# Altium PCB PCB2.PcbDoc (part 1 of 3) (continued)
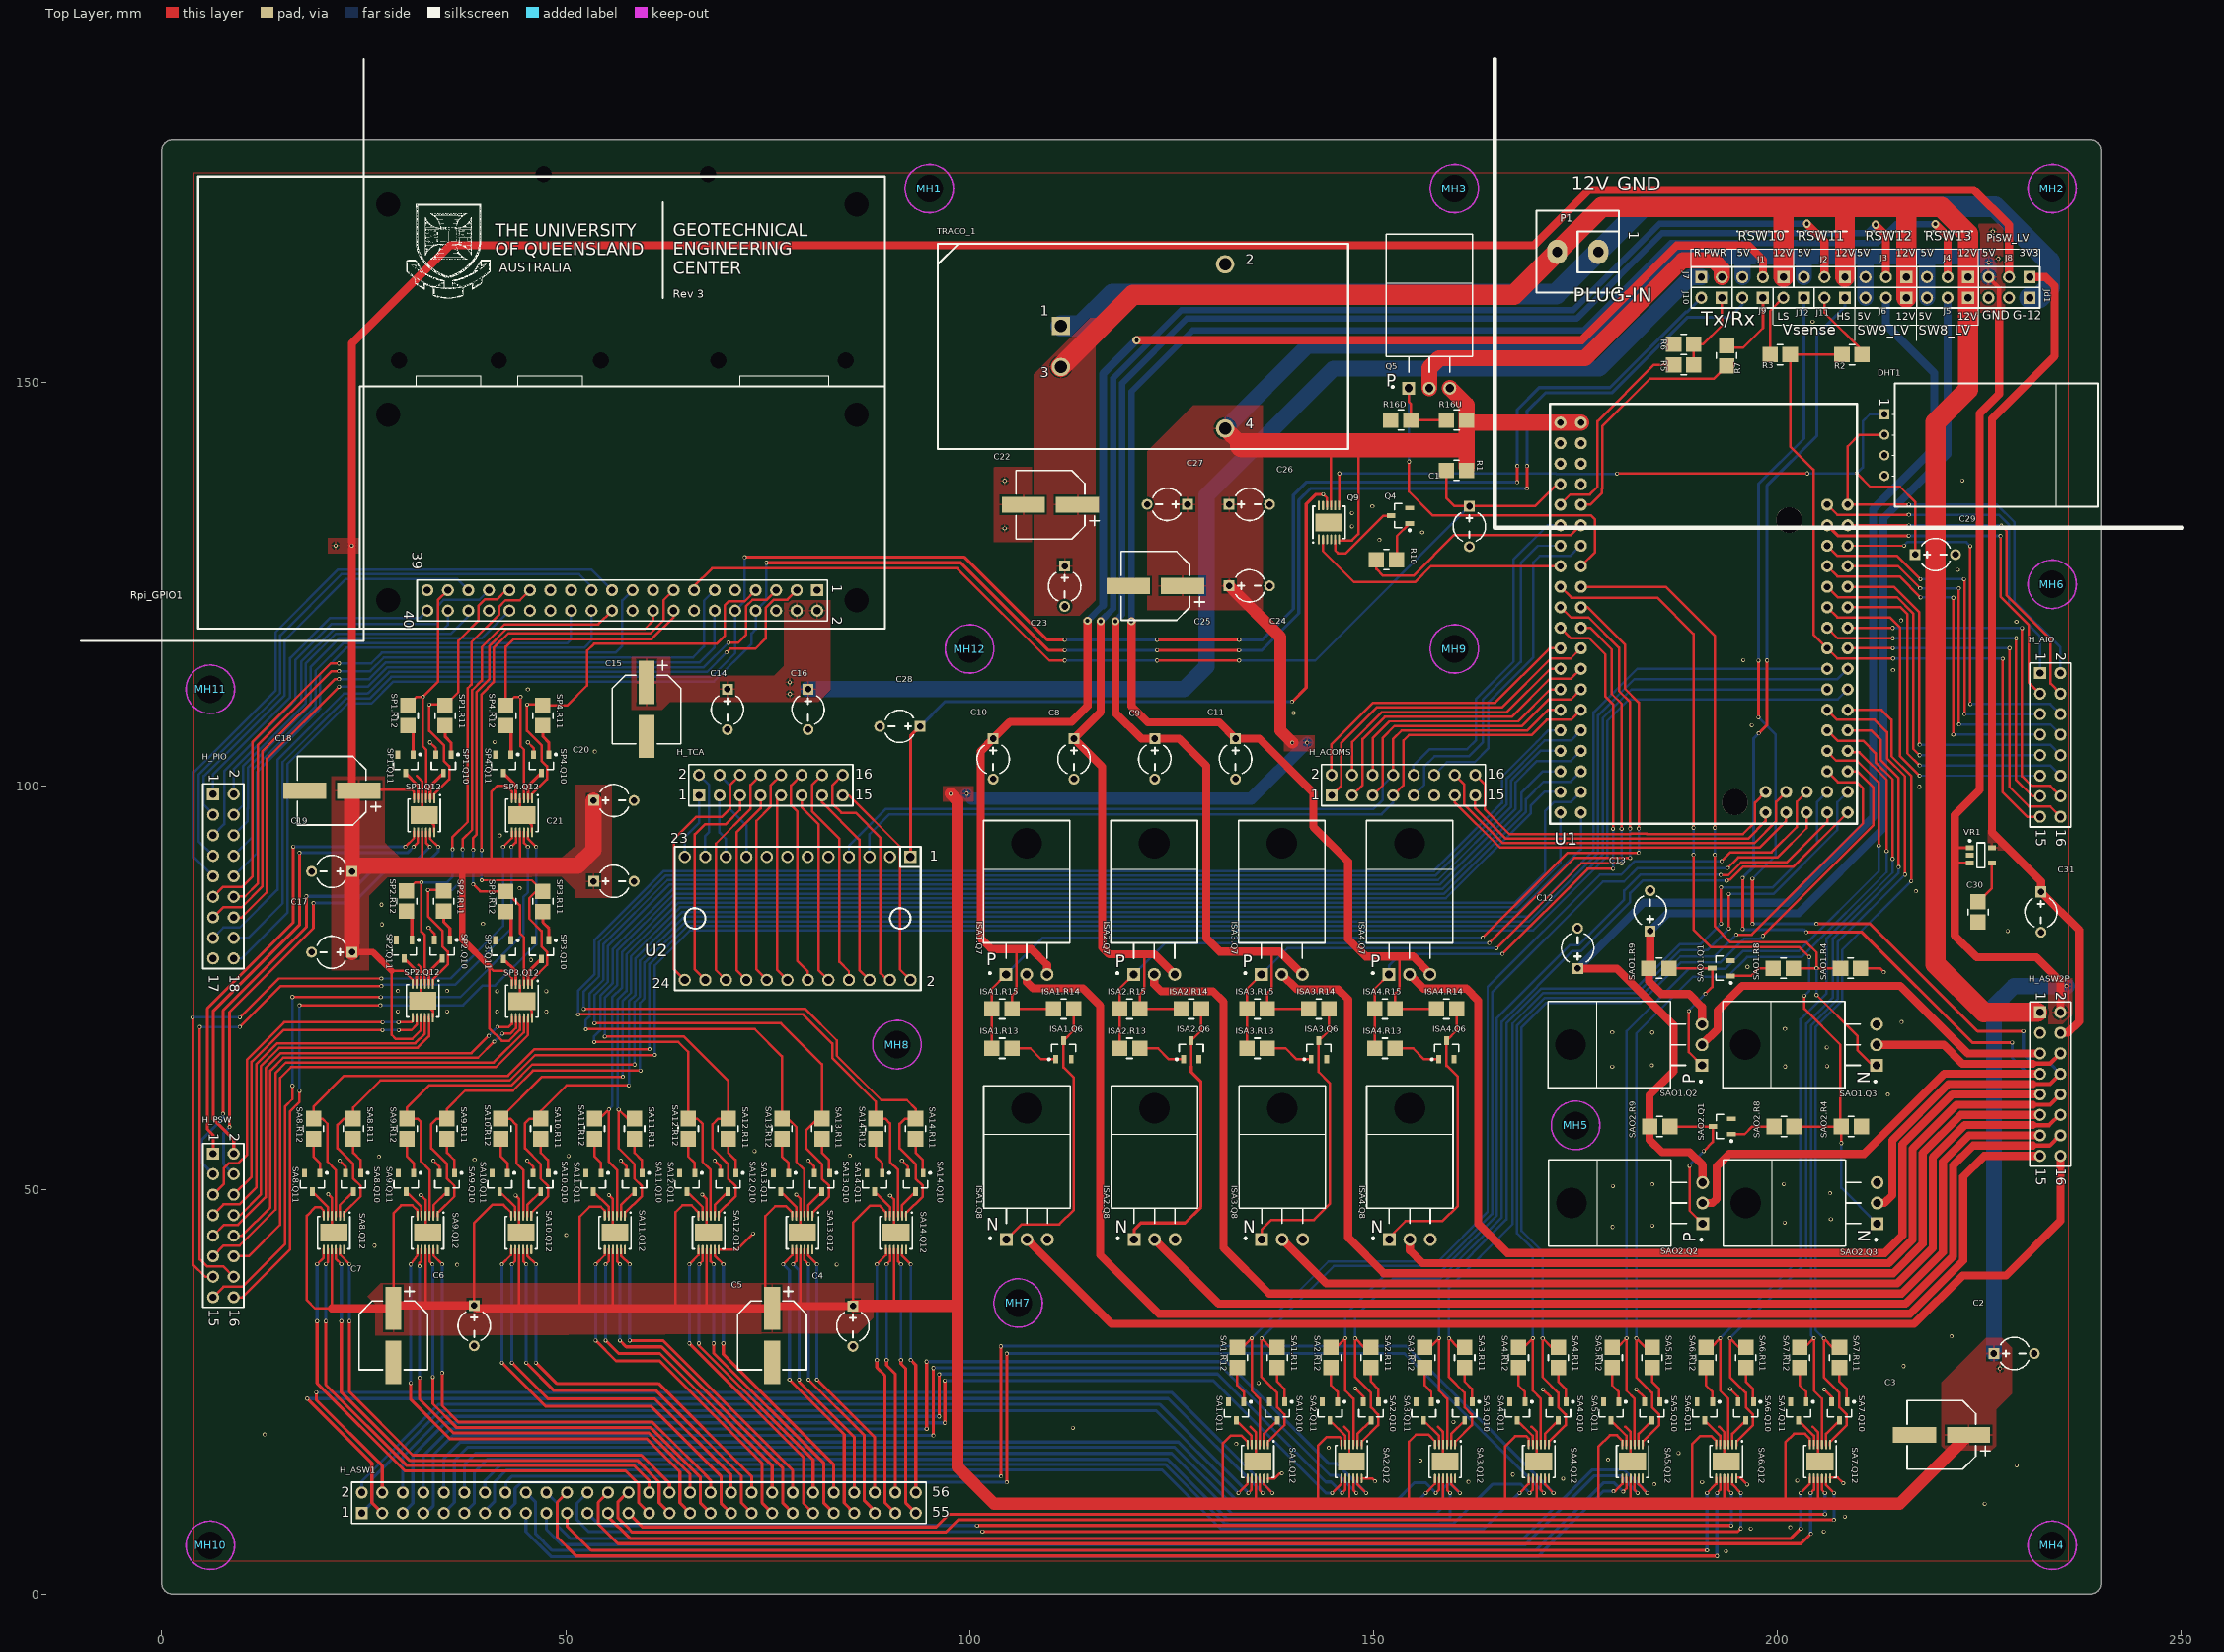
[diagram p0: Top Layer view]
## Components (designator, comment, footprint, x,y, rotation, side; value= is the part's Value field where it differs from the comment) (continued)
SA8.Q10 "BC848B" INF-SOT23_N 23.704,50.951 r270 top (schematic designator Q10)
SA8.Q11 "BC848B" INF-SOT23_N 18.632,50.951 r270 top (schematic designator Q11)
SA8.Q12 "TC8220" DFN-12 21.29,44.71 r270 top (schematic designator Q12)
SA8.R11 "330" RES-1206_M 23.704,57.587 r270 top (schematic designator R11)
SA8.R12 "330" RES-1206_M 18.769,57.587 r270 top (schematic designator R12)
SA9.Q10 "BC848B" INF-SOT23_N 35.304,50.951 r270 top (schematic designator Q10)
SA9.Q11 "BC848B" INF-SOT23_N 30.232,50.951 r270 top (schematic designator Q11)
SA9.Q12 "TC8220" DFN-12 32.89,44.71 r270 top (schematic designator Q12)
SA9.R11 "330" RES-1206_M 35.304,57.587 r270 top (schematic designator R11)
SA9.R12 "330" RES-1206_M 30.369,57.587 r270 top (schematic designator R12)
SA10.Q10 "BC848B" INF-SOT23_N 46.904,50.951 r270 top (schematic designator Q10)
SA10.Q11 "BC848B" INF-SOT23_N 41.832,50.951 r270 top (schematic designator Q11)
SA10.Q12 "TC8220" DFN-12 44.49,44.71 r270 top (schematic designator Q12)
SA10.R11 "330" RES-1206_M 46.904,57.587 r270 top (schematic designator R11)
SA10.R12 "330" RES-1206_M 41.969,57.587 r270 top (schematic designator R12)
SA11.Q10 "BC848B" INF-SOT23_N 58.504,50.951 r270 top (schematic designator Q10)
SA11.Q11 "BC848B" INF-SOT23_N 53.432,50.951 r270 top (schematic designator Q11)
SA11.Q12 "TC8220" DFN-12 56.09,44.71 r270 top (schematic designator Q12)
SA11.R11 "330" RES-1206_M 58.504,57.587 r270 top (schematic designator R11)
SA11.R12 "330" RES-1206_M 53.569,57.587 r270 top (schematic designator R12)
SA12.Q10 "BC848B" INF-SOT23_N 70.104,50.951 r270 top (schematic designator Q10)
SA12.Q11 "BC848B" INF-SOT23_N 65.032,50.951 r270 top (schematic designator Q11)
SA12.Q12 "TC8220" DFN-12 67.69,44.71 r270 top (schematic designator Q12)
SA12.R11 "330" RES-1206_M 70.104,57.587 r270 top (schematic designator R11)
SA12.R12 "330" RES-1206_M 65.169,57.587 r270 top (schematic designator R12)
SA13.Q10 "BC848B" INF-SOT23_N 81.704,50.951 r270 top (schematic designator Q10)
SA13.Q11 "BC848B" INF-SOT23_N 76.632,50.951 r270 top (schematic designator Q11)
SA13.Q12 "TC8220" DFN-12 79.29,44.71 r270 top (schematic designator Q12)
SA13.R11 "330" RES-1206_M 81.704,57.587 r270 top (schematic designator R11)
SA13.R12 "330" RES-1206_M 76.769,57.587 r270 top (schematic designator R12)
SA14.Q10 "BC848B" INF-SOT23_N 93.304,50.951 r270 top (schematic designator Q10)
SA14.Q11 "BC848B" INF-SOT23_N 88.232,50.951 r270 top (schematic designator Q11)
SA14.Q12 "TC8220" DFN-12 90.89,44.71 r270 top (schematic designator Q12)
SA14.R11 "330" RES-1206_M 93.304,57.587 r270 top (schematic designator R11)
SA14.R12 "330" RES-1206_M 88.369,57.587 r270 top (schematic designator R12)
SAO1.Q1 "BC848B" INF-SOT23_N 193.063,77.456 r180 top (schematic designator Q1)
SAO1.Q2 "D16N5" TO-220AB_TABDOWN_PMOS#1 190.648,67.98 r90 top (schematic designator Q2)
SAO1.Q3 "MOSFET-N" TO-220AB_TABDOWN_NMOS 212.25,67.98 r90 top (schematic designator Q3)
SAO1.R4 "10K" RES-1206_M 209.043,77.456 r180 top (schematic designator R4)
SAO1.R8 "330" RES-1206_M 200.723,77.456 r180 top (schematic designator R8)
SAO1.R9 "4K7" RES-1206_M 185.331,77.456 r180 top (schematic designator R9)
SAO2.Q1 "BC848B" INF-SOT23_N 193.14,57.86 r180 top (schematic designator Q1)
SAO2.Q2 "D16N5" TO-220AB_TABDOWN_PMOS#1 190.725,48.384 r90 top (schematic designator Q2)
SAO2.Q3 "MOSFET-N" TO-220AB_TABDOWN_NMOS 212.327,48.384 r90 top (schematic designator Q3)
SAO2.R4 "10K" RES-1206_M 209.12,57.86 r180 top (schematic designator R4)
SAO2.R8 "330" RES-1206_M 200.8,57.86 r180 top (schematic designator R8)
SAO2.R9 "4K7" RES-1206_M 185.409,57.86 r180 top (schematic designator R9)
SP1.Q10 "BC848B" INF-SOT23_N 34.868,102.766 r270 top (schematic designator Q10)
SP1.Q11 "BC848B" INF-SOT23_N 30.168,102.766 r270 top (schematic designator Q11)
SP1.Q12 "TC8220" DFN-12 32.468,96.386 r270 top (schematic designator Q12)
SP1.R11 "330" RES-1206_M 35.06,108.729 r270 top (schematic designator R11)
SP1.R12 "330" RES-1206_M 30.468,108.729 r270 top (schematic designator R12)
SP2.Q10 "BC848B" INF-SOT23_N 34.704,79.807 r270 top (schematic designator Q10)
SP2.Q11 "BC848B" INF-SOT23_N 30.004,79.807 r270 top (schematic designator Q11)
SP2.Q12 "TC8220" DFN-12 32.304,73.427 r270 top (schematic designator Q12)
SP2.R11 "330" RES-1206_M 34.896,85.77 r270 top (schematic designator R11)
SP2.R12 "330" RES-1206_M 30.304,85.77 r270 top (schematic designator R12)
SP3.Q10 "BC848B" INF-SOT23_N 46.978,79.767 r270 top (schematic designator Q10)
SP3.Q11 "BC848B" INF-SOT23_N 42.278,79.767 r270 top (schematic designator Q11)
SP3.Q12 "TC8220" DFN-12 44.578,73.387 r270 top (schematic designator Q12)
SP3.R11 "330" RES-1206_M 47.17,85.73 r270 top (schematic designator R11)
SP3.R12 "330" RES-1206_M 42.578,85.73 r270 top (schematic designator R12)
SP4.Q10 "BC848B" INF-SOT23_N 46.978,102.766 r270 top (schematic designator Q10)
SP4.Q11 "BC848B" INF-SOT23_N 42.278,102.766 r270 top (schematic designator Q11)
SP4.Q12 "TC8220" DFN-12 44.578,96.386 r270 top (schematic designator Q12)
SP4.R11 "330" RES-1206_M 47.17,108.729 r270 top (schematic designator R11)
SP4.R12 "330" RES-1206_M 42.578,108.729 r270 top (schematic designator R12)
TRACO_1 "TRACO_12vto5.1_151121" TRACO_12VTO5.1_151121 121.454,154.45 r0 top
U1 "MEGA2560-PRO-MINI" MEGA2560PRO-MINI 171.846,147.35 r270 top locked
U2 "TCA9548A_Breakout" TCA9548 78.704,83.63 r270 top
VR1 "TS5205CX533" SOT-25 225.17,91.44 r0 top

## Footprints (in the part's own frame and the unit in brackets; to place one, negate y for a bottom-side part, rotate by r counter-clockwise, add the part's x,y. Pads: shape width x height; smd on the part's side, far side on the other; paste and mask are expansions set on the pad)
CAPAE9083X80M [mm] "Aluminum Electrolytic Capacitor, Case 8x6.5mm, Body 8.30x8.30x8.00mm, IPC Low Density; Support 4x5.5mm,5x5.5mm, 6.3x5.5mm, 6.3x6.3mm, 6.3x8mm"
  rect 5.35x2 smd: 1(-3.35,0) 2(3.35,0)
  silkscreen extent -6.05,-4.25 4.25,4.25, body extent -4.5,-4.25 4.5,4.25, height 8
CAPR5-4X5 [mm] "Capacitor; 2 Leads"
  rect 1.35x1.35 hole 0.8: 1(-2.5,0)
  round 1.35 hole 0.8: 2(2.5,0)
  silkscreen extent -1.69,-2 1.82,2
DFN-12 [mm] "12-Lead DFN Plastic Package"
  rect 1.2x0.25 smd mask+0.08: 1(-2.1,1.25)
  oval 1.2x0.25 smd mask+0.08: 2(-2.1,0.75) 3(-2.1,0.25) 4(-2.1,-0.25) 5(-2.1,-0.75) 6(-2.1,-1.25) 7(2.1,-1.25) 8(2.1,-0.75) 9(2.1,-0.25) 10(2.1,0.25) 11(2.1,0.75) 12(2.1,1.25)
  rect 2.2x3.34 smd: 13(0,0)
  silkscreen extent -2.51,-2 2,2, body extent -2,-2 2,2, height 1
DHT22_HORIZONTAL [mil]
  rect 50x50 hole 30: 1(-150,0)
  round 50 hole 30: 2(-50,0) 3(50,0) 4(150,0)
  silkscreen extent -300,36 300,1038
HDR1X2 [mm] "Connector; Header; 2 Position"
  rect 1.5x1.5 hole 0.9: 1(0,0)
  round 1.5 hole 0.9: 2(2.54,0)
  silkscreen extent -1.27,-1.27 3.81,1.27
HDR1X3 [mm] "Connector; Header; 3 Position"
  rect 1.5x1.5 hole 0.9: 1(0,0)
  round 1.5 hole 0.9: 2(2.54,0) 3(5.08,0)
  silkscreen extent -1.27,-1.27 6.35,1.27
HDR2X8 [mm] "Connector; Header; 8x2 Position"
  rect 1.5x1.5 hole 0.9: 1(0,0)
  round 1.5 hole 0.9: 2(0,2.54) 3(2.54,0) 4(2.54,2.54) 5(5.08,0) 6(5.08,2.54) 7(7.62,0) 8(7.62,2.54) 9(10.16,0) 10(10.16,2.54) 11(12.7,0) 12(12.7,2.54) 13(15.24,0) 14(15.24,2.54) 15(17.78,0) 16(17.78,2.54)
  silkscreen extent -1.27,-1.27 19.05,3.81
HDR2X9 [mm] "Connector; Header; 9x2 Position"
  rect 1.5x1.5 hole 0.9: 1(0,0)
  round 1.5 hole 0.9: 2(0,2.54) 3(2.54,0) 4(2.54,2.54) 5(5.08,0) 6(5.08,2.54) 7(7.62,0) 8(7.62,2.54) 9(10.16,0) 10(10.16,2.54) 11(12.7,0) 12(12.7,2.54) 13(15.24,0) 14(15.24,2.54) 15(17.78,0) 16(17.78,2.54) 17(20.32,0) 18(20.32,2.54)
  silkscreen extent -1.27,-1.27 21.59,3.81
HDR2X28 [mm] "Connector; Header; 28x2 Position"
  rect 1.5x1.5 hole 0.9: 1(0,0)
  round 1.5 hole 0.9: 2(0,2.54) 3(2.54,0) 4(2.54,2.54) 5(5.08,0) 6(5.08,2.54) 7(7.62,0) 8(7.62,2.54) 9(10.16,0) 10(10.16,2.54) 11(12.7,0) 12(12.7,2.54) 13(15.24,0) 14(15.24,2.54) 15(17.78,0) 16(17.78,2.54) 17(20.32,0) 18(20.32,2.54) 19(22.86,0) 20(22.86,2.54) 21(25.4,0) 22(25.4,2.54) 23(27.94,0) 24(27.94,2.54) 25(30.48,0) 26(30.48,2.54) 27(33.02,0) 28(33.02,2.54) 29(35.56,0) 30(35.56,2.54) 31(38.1,0) 32(38.1,2.54) 33(40.64,0) 34(40.64,2.54) 35(43.18,0) 36(43.18,2.54) 37(45.72,0) 38(45.72,2.54) 39(48.26,0) 40(48.26,2.54) 41(50.8,0) 42(50.8,2.54) 43(53.34,0) 44(53.34,2.54) 45(55.88,0) 46(55.88,2.54) 47(58.42,0) 48(58.42,2.54) 49(60.96,0) 50(60.96,2.54) 51(63.5,0) 52(63.5,2.54) 53(66.04,0) 54(66.04,2.54) 55(68.58,0) 56(68.58,2.54)
  silkscreen extent -1.27,-1.27 69.85,3.81
INF-SOT23_N [mm] "SOT23, 3-Leads, Body 2.9x1.3 mm, Pitch 0.95 mm, IPC Medium Density"
  rect 1.05x0.6 smd: 1(-1.15,0.95) 2(-1.15,-0.95) 3(1.15,0)
  silkscreen extent -1.27,-1.5 0.7,1.92, body extent -0.7,-1.5 0.7,1.5, height 1.1
M3 [mm] "M3 Screw Mounting Hole, 6mm Head Diameter Clearance"
  round 0 hole 3.4 unplated: 0(0,0)
  Keep-Out Layer circle w0.2: c0,0 r3
MEGA2560PRO-MINI [mm]
  round 3.2 hole 3.2 unplated: 0(14.405,29.601) 0(49.33,22.87)
  round 0 all layers, no hole: 5V@3(50.6,19.06) GND@3(50.6,13.98) GND@4(2.34,25.918) MISO(48.06,19.06) MOSI(50.6,16.52) RESET(48.06,13.98) RST@2(2.34,15.758) RX@2(2.34,20.838) SCK(48.06,16.52) TX@2(2.34,18.298) VCC@3(2.34,23.378)
  round 1.5 / inner round 1.524 / far side round 1.676 hole 0.8: A0(12.5,36.84) A1(12.5,34.3) A2(15.04,36.84) A3(15.04,34.3) A4(17.58,36.84) A5(17.58,34.3) A6(20.12,36.84) A7(20.12,34.3) A8(22.66,36.84) A9(22.66,34.3) A10(25.2,36.84) A11(25.2,34.3) A12(27.74,36.84) A13(27.74,34.3) A14(30.28,36.84) A15(30.28,34.3) AREF(9.96,3.82) D2(15.04,3.82) D3(15.04,1.28) D4(17.58,3.82) D5(17.58,1.28) D6(20.12,3.82) D7(20.12,1.28) D8(22.66,3.82) D9(22.66,1.28) D10(25.2,3.82) D11(25.2,1.28) D12(27.74,3.82) D13(27.74,1.28) D14(30.28,3.82) D15(30.28,1.28) D16(32.82,3.82) D17(32.82,1.28) D18(35.36,3.82) D19(35.36,1.28) D20(37.9,3.82) D21(37.9,1.28) D22(40.44,3.82) D23(40.44,1.28) D24(42.98,3.82) D25(42.98,1.28) D26(45.52,3.82) D27(45.52,1.28) D28(48.06,3.82) D29(48.06,1.28) D30(50.6,3.82) D31(50.6,1.28) D32(32.82,36.84) D33(32.82,34.3) D34(35.36,36.84) D35(35.36,34.3) D36(37.9,36.84) D37(37.9,34.3) D38(40.44,36.84) D39(40.44,34.3) D40(42.98,36.84) D41(42.98,34.3) D42(45.52,36.84) D43(45.52,34.3) D44(48.06,36.84) D45(48.06,34.3) D46(50.6,36.84) D47(50.6,34.3) D48(50.6,31.76) D49(48.06,31.76) D50(50.6,29.22) D51(48.06,29.22) D52(50.6,26.68) D53(48.06,26.68) GND@1(4.88,1.28) GND@2(4.88,3.82) RST@1(9.96,1.28) RX@1(12.5,3.82) TX@1(12.5,1.28) VCC@1(7.42,1.28) VCC@2(7.42,3.82) VIN@1(2.34,1.28) VIN@2(2.34,3.82)
  silkscreen extent 0,0 52,38
PHOENIX_2PIN [mm]
  oval 3x2.5 hole 1.27: 1(0,2.54) 2(0,-2.54)
  silkscreen extent -5.08,-5.08 5.08,5.08
RES-1206_M [mm] "Chip Resistor, 2-Leads, Body 3.2x1.6mm, IPC Low Density, 0805 Compliant"
  rect 1.9x1.9 smd: 1(-1.25,0) 2(1.25,0)
  silkscreen extent -0.35,-1.25 0.35,1.25, body extent -1.65,-0.87 1.65,0.87, height 0.65
RPI_Z_GPIO_HDR2X20 [mm] "Connector; Header; 20x2 Position"
  round 1.524 hole 3 unplated: 0(-47.73,-53.13) 0(-47.73,4.87) 0(-21.73,4.87) 0(-21.73,-53.13) 0(1.27,-53.13) 0(1.27,4.87)
  rect 1.5x1.5 hole 0.9: 1(0,0)
  round 1.5 hole 0.9: 2(2.54,0) 3(0,-2.54) 4(2.54,-2.54) 5(0,-5.08) 6(2.54,-5.08) 7(0,-7.62) 8(2.54,-7.62) 9(0,-10.16) 10(2.54,-10.16) 11(0,-12.7) 12(2.54,-12.7) 13(0,-15.24) 14(2.54,-15.24) 15(0,-17.78) 16(2.54,-17.78) 17(0,-20.32) 18(2.54,-20.32) 19(0,-22.86) 20(2.54,-22.86) 21(0,-25.4) 22(2.54,-25.4) 23(0,-27.94) 24(2.54,-27.94) 25(0,-30.48) 26(2.54,-30.48) 27(0,-33.02) 28(2.54,-33.02) 29(0,-35.56) 30(2.54,-35.56) 31(0,-38.1) 32(2.54,-38.1) 33(0,-40.64) 34(2.54,-40.64) 35(0,-43.18) 36(2.54,-43.18) 37(0,-45.72) 38(2.54,-45.72) 39(0,-48.26) 40(2.54,-48.26)
  silkscreen extent -51.23,-76.63 4.77,8.37, body extent -26.52,-56.63 4.71,8.37, height 13.35
SOT-25 [mm] "SOT25, 5-Leads, Body 2.90x2.70mm, Pitch 0.95mm, IPC Medium Density"
  rect 0.95x0.6 smd: 1(-1.375,0.95) 2(-1.375,0) 3(-1.375,-0.95) 4(1.375,-0.95) 5(1.375,0.95)
  silkscreen extent -1.5,-1.55 0.5,1.92, body extent -1.5,-1.55 1.5,1.55, height 1.25
TCA9548 [mil]
  rect 60x60 hole 40: 1(-300,550)
  round 60 hole 40: 2(300,550) 3(-300,450) 4(300,450) 5(-300,350) 6(300,350) 7(-300,250) 8(300,250) 9(-300,150) 10(300,150) 11(-300,50) 12(300,50) 13(-300,-50) 14(300,-50) 15(-300,-150) 16(300,-150) 17(-300,-250) 18(300,-250) 19(-300,-350) 20(300,-350) 21(-300,-450) 22(300,-450) 23(-300,-550) 24(300,-550)
  silkscreen extent -350,-600 350,600
TO-220AB_TABDOWN_NMOS [mm] "TO, Thru-Hole, Horizontal, Heatsink Mounted; 3 In-Line Leads; Pitch 2.54 mm"
  round 0 hole 3.8 unplated: 0(0,16.25)
  rect 1.6x1.6 hole 1: 1(-2.54,0)
  round 1.6 hole 1: 2(0,0) 3(2.54,0)
  silkscreen extent -5.35,0.03 5.35,19.05, body extent -5.4,3.83 5.4,19.04, height 4.65
TO-220AB_TABDOWN_PMOS#1 [mm] "TO, Thru-Hole, Horizontal, Heatsink Mounted; 3 In-Line Leads; Pitch 2.54 mm"
  round 0 hole 3.8 unplated: 0(0,16.25)
  rect 1.6x1.6 hole 1: 1(-2.54,0)
  round 1.6 hole 1: 2(0,0) 3(2.54,0)
  silkscreen extent -5.35,0.03 5.35,19.05, body extent -5.4,3.83 5.4,19.04, height 4.65
TO-220AB_TABDOWN_PMOS#2 [mm] "TO, Thru-Hole, Horizontal, Heatsink Mounted; 3 In-Line Leads; Pitch 2.54 mm"
  round 0 on Top Overlay: 0(0,16.25)
  rect 1.6x1.6 hole 1: 1(-2.54,0)
  round 1.6 hole 1: 2(0,0) 3(2.54,0)
  silkscreen extent -5.35,0.03 5.35,19.05, body extent -5.4,3.83 5.4,19.04, height 4.65
TRACO_12VTO5.1_151121 [mil]
  rect 90x90 hole 60: 1(-400,100)
  round 90 hole 60: 2(400,400) 3(-400,-100) 4(400,-400)
  silkscreen extent -1000,-500 1000,500, body extent -1000,-500 1000,500, height 402

## Part data
C1 C2 C3 C4 C5 C6 C7 C8 C9 C10 C11 C12 C13 C14 C15 C16 C17 C18 C19 C20 C21 C22 C23 C24 C25 C26 C27 C28 C29 C30 C31: library part Cap2, "Capacitor", PackageDescription="Capacitor; 2 Leads", PackageReference=CAPR5-4X5, Published=23-Sep-2002, Publisher="Altium Limited"
  C1 C2 C5 C6 C15 C17 C22 C24: Link=https://au.rs-online.com/web/p/ceramic-multilayer-capacitors/6995137/
  C3 C4 C7 C18 C20 C23 C28 C29: Link=https://au.rs-online.com/web/p/aluminium-capacitors/1918277/
  C8 C9 C10 C11 C12 C13 C14 C19 C21 C25 C26 C27 C30 C31: Link=https://au.rs-online.com/web/p/aluminium-capacitors/2244325/
H_ACOMS H_AIO H_ASW2P H_PSW H_TCA: "Header, 8-Pin, Dual row", LatestRevisionDate=17-Jul-2002, LatestRevisionNote="Re-released for DXP Platform.", Publisher="Altium Limited", System=Connector
H_ASW1: "Header, 28-Pin, Dual row", LatestRevisionDate=17-Jul-2002, LatestRevisionNote="Re-released for DXP Platform.", Publisher="Altium Limited", System=Connector
H_PIO: "Header, 9-Pin, Dual row", LatestRevisionDate=17-Jul-2002, LatestRevisionNote="Re-released for DXP Platform.", Publisher="Altium Limited", System=Connector
ISA1.Q6 ISA2.Q6 ISA3.Q6 ISA4.Q6 Q4 SA1.Q10 SA1.Q11 SA2.Q10 SA2.Q11 SA3.Q10 SA3.Q11 SA4.Q10 SA4.Q11 SA5.Q10 SA5.Q11 SA6.Q10 SA6.Q11 SA7.Q10 SA7.Q11 SA8.Q10 SA8.Q11 SA9.Q10 SA9.Q11 SA10.Q10 SA10.Q11 SA11.Q10 SA11.Q11 SA12.Q10 SA12.Q11 SA13.Q10 SA13.Q11 SA14.Q10 SA14.Q11 SAO1.Q1 SAO2.Q1 SP1.Q10 SP1.Q11 SP2.Q10 SP2.Q11 SP3.Q10 SP3.Q11 SP4.Q10 SP4.Q11: "NPN Silicon AF Transistor, 30 V VCEO, 100 mA IC, SOT23, Reel, Green", Manufacturer=Infineon, ComponentLink1Description="Manufacturer URL", ComponentLink1URL=http://www.infineon.com/, ComponentLink2Description=Datasheet, ComponentLink2URL=http://www.infineon.com/dgdl/bc847series_bc848series_bc849series_bc850series.pdf?folderId=db3a304314dca389011541d30fa21656&fileId=db3a304314dca389011541d4630a1657, ComponentLink3Description="Package Specification", ComponentLink3URL=http://www.infineon.com/dgdl/SOT23-Package_Overview.pdf?folderId=db3a30431936bc4b0119532290053c66&fileId=db3a30431936bc4b0119533468123c85, fT (typ)="250 MHz", Green=TRUE, IBM (max)="200 mA", IC (max)="100 mA", ICBO (max)="15 nA", ICM (max)="200 mA", Mounting Technology="Surface Mount", PackageDescription="3-Pin Small Outline Transistor Package, 1.3 x 2.9 mm Body, 0.95 mm Pitch", PackageReference=SOT23, PackageVersion=Apr-08, Packing=Reel, PartNumber=BC848B, Polarity=NPN, Ptot (max)="330 mW", VCBO (max)="30 V", VCEO (max)="30 V", VEBO (max)="6 V"
ISA1.Q7 ISA2.Q7 ISA3.Q7 ISA4.Q7 Q5 SAO1.Q2 SAO2.Q2: library part MOSFET-P, "P-Channel MOSFET", LatestRevisionDate=17-Jul-2002, LatestRevisionNote="Re-released for DXP Platform.", PackageDescription="TO, Flat Index; 3 In-Line, Axial Leads; Body Dia. 4.6mm; Lead Dia. 0.5 mm (max)", PackageReference=E3, PackageVersion=1995/1996, Published=8-Jun-2000, Publisher="Altium Limited"
  ISA1.Q7 ISA2.Q7 ISA3.Q7 ISA4.Q7 SAO1.Q2 SAO2.Q2: Link=https://au.rs-online.com/web/p/mosfets/9194867/
  Q5: Link=https://au.rs-online.com/web/p/mosfets/1655218/
ISA1.Q8 ISA2.Q8 ISA3.Q8 ISA4.Q8 SAO1.Q3 SAO2.Q3: "N-Channel MOSFET", LatestRevisionDate=17-Jul-2002, LatestRevisionNote="Re-released for DXP Platform.", Link=https://au.rs-online.com/web/p/mosfets/1241400/, PackageDescription="TO, Flat Index; 3 In-Line, Axial Leads; Body Dia. 4.6mm; Lead Dia. 0.5 mm (max)", PackageReference=E3, PackageVersion=1995/1996, Published=8-Jun-2000, Publisher="Altium Limited"
ISA1.R13 ISA1.R14 ISA1.R15 ISA2.R13 ISA2.R14 ISA2.R15 ISA3.R13 ISA3.R14 ISA3.R15 ISA4.R13 ISA4.R14 ISA4.R15 R1 R2 R3 R5 R6 R7 R10 R16D R16U SA1.R11 SA1.R12 SA2.R11 SA2.R12 SA3.R11 SA3.R12 SA4.R11 SA4.R12 SA5.R11 SA5.R12 SA6.R11 SA6.R12 SA7.R11 SA7.R12 SA8.R11 SA8.R12 SA9.R11 SA9.R12 SA10.R11 SA10.R12 SA11.R11 SA11.R12 SA12.R11 SA12.R12 SA13.R11 SA13.R12 SA14.R11 SA14.R12 SAO1.R4 SAO1.R8 SAO1.R9 SAO2.R4 SAO2.R8 SAO2.R9 SP1.R11 SP1.R12 SP2.R11 SP2.R12 SP3.R11 SP3.R12 SP4.R11 SP4.R12: library part Res2, "Resistor", LatestRevisionDate=17-Jul-2002, LatestRevisionNote="Re-released for DXP Platform.", PackageDescription="Axial Device, Thru-Hole; 2 Leads; 0.4 in Pin Spacing", PackageReference=AXIAL-0.4, Published=8-Jun-2000, Publisher="Altium Limited"
  ISA1.R13 ISA2.R13 ISA3.R13 ISA4.R13 R7 R10 SAO1.R8 SAO2.R8: Link=https://au.rs-online.com/web/p/through-hole-fixed-resistors/7398714/
  ISA1.R14 ISA1.R15 ISA2.R14 ISA2.R15 ISA3.R14 ISA3.R15 ISA4.R14 ISA4.R15 R1 R16D R16U SAO1.R9 SAO2.R9: Link=https://au.rs-online.com/web/p/through-hole-fixed-resistors/6833799/
  R2: Link=https://au.rs-online.com/web/p/through-hole-fixed-resistors/1660234/
  R3: Link=https://au.rs-online.com/web/p/through-hole-fixed-resistors/0148461/
  R5: Link=https://au.rs-online.com/web/p/through-hole-fixed-resistors/1251142/
  R6: Link=https://au.rs-online.com/web/p/through-hole-fixed-resistors/0132551/
  SAO1.R4 SAO2.R4: Link=https://au.rs-online.com/web/p/through-hole-fixed-resistors/1251148/
J1: library part "Header 3", "Header, 3-Pin / ISA1 (D10), Inverted Switch 12V-5V Select", LatestRevisionDate=17-Jul-2002, LatestRevisionNote="Re-released for DXP Platform.", Publisher="Altium Limited"
J2: library part "Header 3", "Header, 3-Pin / ISA2 (D11), Inverted Switch 12V-5V Select", LatestRevisionDate=17-Jul-2002, LatestRevisionNote="Re-released for DXP Platform.", Publisher="Altium Limited"
J3: library part "Header 3", "Header, 3-Pin / ISA3 (D12), Inverted Switch 12V-5V Select", LatestRevisionDate=17-Jul-2002, LatestRevisionNote="Re-released for DXP Platform.", Publisher="Altium Limited"
J4: library part "Header 3", "Header, 3-Pin / ISA4 (D13), Inverted Switch 12V-5V Select", LatestRevisionDate=17-Jul-2002, LatestRevisionNote="Re-released for DXP Platform.", Publisher="Altium Limited"
J5: "Header, 3-Pin / SAO1 (D8), 12V 5V Select", LatestRevisionDate=17-Jul-2002, LatestRevisionNote="Re-released for DXP Platform.", Publisher="Altium Limited"
J6: "Header, 3-Pin / SAO2 (D9), 12V 5V Select", LatestRevisionDate=17-Jul-2002, LatestRevisionNote="Re-released for DXP Platform.", Publisher="Altium Limited"
J7: "Header, 2-Pin / Arduino->RPI Power", LatestRevisionDate=17-Jul-2002, LatestRevisionNote="Re-released for DXP Platform.", Publisher="Altium Limited"
J8: "Header, 3-Pin / RPI, 5V or 3V Power", LatestRevisionDate=17-Jul-2002, LatestRevisionNote="Re-released for DXP Platform.", Publisher="Altium Limited"
J9: "Header, 2-Pin / A-RX <> P-TX", LatestRevisionDate=17-Jul-2002, LatestRevisionNote="Re-released for DXP Platform.", Publisher="Altium Limited"
J10: "Header, 2-Pin / A-TX <> P-RX", LatestRevisionDate=17-Jul-2002, LatestRevisionNote="Re-released for DXP Platform.", Publisher="Altium Limited"
J11: "Header, 2-Pin / VSense, HS", LatestRevisionDate=17-Jul-2002, LatestRevisionNote="Re-released for DXP Platform.", Publisher="Altium Limited"
J12: "Header, 2-Pin / VSense, LS", LatestRevisionDate=17-Jul-2002, LatestRevisionNote="Re-released for DXP Platform.", Publisher="Altium Limited"
Jd1: library part "Header 3", "12V and 5v Tie in Ground", LatestRevisionDate=17-Jul-2002, LatestRevisionNote="Re-released for DXP Platform.", Publisher="Altium Limited"
P1: library part Phoenix_2pin, "Plug IN"
Q9 SA1.Q12 SA2.Q12 SA3.Q12 SA4.Q12 SA5.Q12 SA6.Q12 SA7.Q12 SA8.Q12 SA9.Q12 SA10.Q12 SA11.Q12 SA12.Q12 SA13.Q12 SA14.Q12 SP1.Q12 SP2.Q12 SP3.Q12 SP4.Q12: "Two pair, N- & P-Channel Enhancement MOSFET"
Rpi_GPIO1: library part Rpi_GPIO_1, "Header, 20-Pin, Dual row", LatestRevisionDate=17-Jul-2002, LatestRevisionNote="Re-released for DXP Platform.", Publisher="Altium Limited"
U1: "RoboDyn Mega2560 Pro Mini, Either 5V or 3.3V incorporated regulator", ComponentLink1Description=Robodyn, ComponentLink1URL=https://robotdyn.com/mega-2560-pro-mini-atmega2560-16au.html
U2: "Adafruit TCA9548A 1-to-8 I2C Multiplexer Breakout"
VR1: library part TS5205, "150mA Low Noise LDO Voltage Regulator with Enable Function"
TRACO_1: Link=https://au.rs-online.com/web/p/isolated-dc-dc-converters/1665605/

## Free pads (board coordinates)
  round 0 hole 2 unplated: 0(29.354,152.71) 0(41.704,152.7) 0(47.274,175.79) 0(54.354,152.7) 0(67.594,175.79) 0(68.894,152.7) 0(84.664,152.7)

## Via types
v1: diameter 0.5, hole 0.3, Top Layer to Bottom Layer, 422 vias
v2: diameter 1, hole 0.5, Top Layer to Bottom Layer, 8 vias

## Nets (pads, with @x,y where several pads share a name; then routed paths per layer and width w, separated by ;. In a path a pad name is that pad's centre, name@x,y a point inside that pad or via, vN(x,y) a via of type N, cw(c..) or ccw(c..) an arc to the next point about the centre after c; other vN are vias at no path point)
3.3V: C31.1 H_ASW2P.4 J8.1 VR1.5 | length 105.2
  Top Layer w1: J8.1@231.203,163.03 233.21,163.03 234.3,161.94 234.3,153.25 226.545,145.495 226.545,94.275 232.62,88.2 C31.1@232.62,86.91 237.34,82.19 237.34,70.88 235.92,69.46 H_ASW2P.4@235.04,69.46
5V: C2.1 C3.1 C4.1 C5.1 C6.1 C7.1 C24.1 C25.1 C26.1 C27.1 H_ASW2P.2 J1.3 J2.3 J3.3 J4.3 J5.3 J6.3 J8.3 Q5.3 Q9.6 Q9.9 R1.2 R16U.2 SA1.Q12.6 SA1.Q12.9 SA2.Q12.6 SA2.Q12.9 SA3.Q12.6 SA3.Q12.9 SA4.Q12.6 SA4.Q12.9 SA5.Q12.6 SA5.Q12.9 SA6.Q12.6 SA6.Q12.9 SA7.Q12.6 SA7.Q12.9 SA8.Q12.6 SA8.Q12.9 SA9.Q12.6 SA9.Q12.9 SA10.Q12.6 SA10.Q12.9 SA11.Q12.6 SA11.Q12.9 SA12.Q12.6 SA12.Q12.9 SA13.Q12.6 SA13.Q12.9 SA14.Q12.6 SA14.Q12.9 TRACO_1.4 U1.VIN@1 U1.VIN@2 VR1.1 VR1.3 | length 988.9
  Top Layer w0.305: SA8.Q12.6@20.04,46.71 20.04,46.925 20.04,47.44 19.6,47.88 19.02,47.88 17.95,46.81 17.95,36.37 18.97,35.35 21.02,35.35 21.04,35.37 21.04,42.495 SA8.Q12.9@21.04,42.71 ; C7.1@29.023,35.704 C7.1@28.669,35.35 28.669,47.129 29.63,48.09 31.02,48.09 31.64,47.47 31.64,46.925 SA9.Q12.6@31.64,46.71 ; SA9.Q12.9@32.64,42.71 32.64,42.495 32.64,35.724 32.66,35.704 ; C6.1@39.023,35.35 C6.1@38.669,35.704 38.669,45.929 40.9,48.16 42.31,48.16 43.24,47.23 43.24,46.925 SA10.Q12.6@43.24,46.71 ; 44.17,35.35 44.24,35.42 44.24,42.495 SA10.Q12.9@44.24,42.71 ; 51.73,35.35 51.73,46.69 52.97,47.93 54.34,47.93 54.84,47.43 54.84,46.925 SA11.Q12.6@54.84,46.71 ; 55.84,35.35 55.84,42.495 SA11.Q12.9@55.84,42.71 ; 63.59,35.35 63.59,47.26 64.43,48.1 65.59,48.1 66.44,47.25 66.44,46.925 SA12.Q12.6@66.44,46.71 ; SA12.Q12.9@67.44,42.71 67.44,42.495 67.44,35.41 67.5,35.35 ; C5.1@75.838,35.64 C5.1@75.548,35.35 74.7,36.198 74.7,46.746 75.924,47.97 77.28,47.97 78.04,47.21 78.04,46.925 SA13.Q12.6@78.04,46.71 ; 78.97,35.64 79.04,35.71 79.04,42.495 SA13.Q12.9@79.04,42.71 ; C4.1@85.548,35.64 85.548,45.958 87.66,48.07 88.82,48.07 89.64,47.25 89.64,46.925 SA14.Q12.6@89.64,46.71 ; SA14.Q12.9@90.64,42.71 90.64,42.495 90.64,35.65 90.65,35.64 ; 130.67,11.161 131.36,11.851 131.36,18.65 132.28,19.57 133.68,19.57 134.404,18.846 134.404,18.598 SA1.Q12.6@134.404,18.383 ; 135.2,11.161 135.404,11.365 135.404,14.168 SA1.Q12.9@135.404,14.383 ; 138.45,106.88 138.45,107.21 ; 142.64,11.161 143.1,11.621 143.1,18.31 144.2,19.41 145.77,19.41 146.004,19.176 146.004,18.598 SA2.Q12.6@146.004,18.383 ; 144.684,142.19 144.734,142.14 144.734,134.865 Q9.9@144.734,134.65 ; Q9.6@145.793,130.435 147.333,130.435 148.114,131.216 148.114,140.93 146.854,142.19 ; 146.78,11.161 147.004,11.385 147.004,14.168 SA2.Q12.9@147.004,14.383 ; 154.56,11.161 154.37,11.351 154.37,18.83 155.22,19.68 156.82,19.68 157.604,18.896 157.604,18.598 SA3.Q12.6@157.604,18.383 ; 158.31,11.161 158.604,11.455 158.604,14.168 SA3.Q12.9@158.604,14.383 ; 166.21,11.161 166.29,11.241 166.29,18.27 167.52,19.5 168.92,19.5 169.204,19.216 169.204,18.598 SA4.Q12.6@169.204,18.383 ; SA4.Q12.9@170.204,14.383 170.204,14.168 170.204,11.177 170.22,11.161 ; 177.66,11.161 177.82,11.321 177.82,18.2 179.25,19.63 180.13,19.63 180.804,18.956 180.804,18.533 SA5.Q12.6@180.804,18.383 ; 181.67,11.161 181.804,11.295 181.804,14.233 SA5.Q12.9@181.804,14.383 ; 189.31,11.161 189.45,11.301 189.45,18.56 190.44,19.55 191.81,19.55 192.404,18.956 192.404,18.533 SA6.Q12.6@192.404,18.383 ; 193.33,11.161 193.404,11.235 193.404,14.233 SA6.Q12.9@193.404,14.383 ; 200.66,11.161 200.96,11.461 200.96,18.737 202.03,19.807 203.4,19.807 204.004,19.203 204.004,18.533 SA7.Q12.6@204.004,18.383 ; SA7.Q12.9@205.004,14.383 205.004,14.233 205.004,11.177 205.02,11.161 ; 221.7,92.39 221.93,92.39 ; 221.74,90.49 221.93,90.49 VR1.3@223.795,90.49 ; 221.93,91.06 222.12,90.87
  Top Layer w0.381: 221.93,92.39 VR1.1@223.795,92.39
  Top Layer w0.5: J8.3@226.123,163.03 227.43,161.723 227.43,158.83
  Top Layer w1: 21.02,35.35 C7.1@28.669,35.35 ; C7.1@29.023,35.704 32.66,35.704 C6.1@38.669,35.704 ; C6.1@39.023,35.35 44.17,35.35 51.73,35.35 55.84,35.35 63.59,35.35 67.5,35.35 C5.1@75.548,35.35 ; C5.1@75.838,35.64 78.97,35.64 C4.1@85.548,35.64 ; 227.43,158.83 227.43,148.55 225.03,146.15 225.03,99.53 221.93,96.43 221.93,92.39 221.93,91.06 221.93,90.49 221.93,81.53 224.65,78.81 232.03,78.81 235.034,75.806 H_ASW2P.2@235.034,72
  Top Layer w1.5: C4.1@85.548,35.64 90.65,35.64 98.5,35.64 ; v1(97.64,99.06) 98.5,98.2 98.5,39.276 98.5,35.64 ; C24.1@132.124,124.798 138.45,118.472 138.45,107.21 ; 138.45,106.88 v1(139.94,105.39) ; C3.1@223.64,19.68 215.121,11.161 205.02,11.161 200.66,11.161 193.33,11.161 189.31,11.161 181.67,11.161 177.66,11.161 170.22,11.161 166.21,11.161 158.31,11.161 154.56,11.161 146.78,11.161 142.64,11.161 135.2,11.161 130.67,11.161 103.029,11.161 98.5,15.69 98.5,35.64
  Top Layer w2: TRACO_1.4@131.614,144.29 133.714,142.19 ; Q5.3@159.434,149.28 161.524,147.19 R16U.2@161.524,145.34 R16U.2@161.524,145.01 ; R1.2@161.524,139.48 161.524,142.19 ; 161.524,142.6 R16U.2@161.524,145.01 ; 175.666,145.01 R16U.2@161.524,145.01
  Top Layer w3: 133.714,142.19 144.684,142.19 146.854,142.19 153.55,142.19 153.554,142.194 155.214,142.194 ; 155.218,142.19 155.214,142.194 ; 160.76,142.194 155.214,142.194
  Bottom Layer w1.5: v1(99.634,99.07) 100.234,98.47 134.85,98.47 v1(141.77,105.39)
  Bottom Layer w2: TRACO_1.4@131.614,144.29 141.854,154.53 176.83,154.53 187.893,165.593 195.78,165.593 ; J1.3@195.643,163.02 195.643,165.456 195.78,165.593 ; J2.3@203.263,163.03 203.263,165.55 203.22,165.593 ; J6.3@210.883,160.48 J3.3@210.883,163.03 210.883,165.557 210.92,165.593 ; J5.3@218.503,160.48 J4.3@218.503,163.03 218.503,165.586 218.51,165.593 ; J8.3@226.123,163.03 226.123,164.517 225.047,165.593 218.51,165.593 ; C2.1@226.79,29.76 226.79,72.78 229.26,75.25 v1(235.79,75.25) ; 195.78,165.593 203.22,165.593 ; 203.22,165.593 210.92,165.593 ; 210.92,165.593 218.51,165.593
  other v1: 227.53,27.903 226.14,164.85 227.33,165.32 226.64,168.67
5V12V_HS_1: H_ASW2P.5 SAO1.Q2.2 | length 49.7
  Top Layer w1: SAO1.Q2.2@190.648,67.98 192.562,69.895 192.562,72.212 195.62,75.27 215.2,75.27 223.571,66.899 H_ASW2P.5@232.5,66.899
5V12V_HS_2: H_ASW2P.7 J11.1 SAO2.Q2.2 | length 179.7
  Top Layer w0.381: v1(195.68,82.31) v1(195.68,88.65) ; v1(197.66,106.535) 198.71,107.585 v1(198.71,115.56) ; v1(203.57,81.91) 210.46,81.91 224.11,68.26 v1(229.048,68.26)
  Top Layer w1: SAO2.Q2.2@190.725,48.384 191.94,48.384 192.44,48.884 192.44,52.896 194.024,54.48 210.74,54.48 220.64,64.38 H_ASW2P.7@232.5,64.38
  Bottom Layer w0.381: v1(195.68,82.31) 195.735,82.255 203.224,82.255 v1(203.57,81.91) ; v1(195.68,88.65) 197.2,90.17 197.04,90.33 197.04,105.915 v1(197.66,106.535) ; v1(198.71,115.56) 198.71,137.24 204.87,143.4 204.87,155.893 208.343,159.367 J11.1@208.343,160.48 ; v1(229.048,68.26) 229.048,66.35 231.018,64.38 H_ASW2P.7@232.5,64.38
5V12V_LS_1: H_ASW2P.6 SAO1.Q3.2 | length 24.3
  Top Layer w0.5: 231.61,65.65 233.77,65.65 H_ASW2P.6@235.04,66.92
  Top Layer w1: SAO1.Q3.2@212.25,67.98 220.56,67.98 222.901,65.639 231.61,65.639
5V12V_LS_2: H_ASW2P.8 J12.1 SAO2.Q3.2 | length 162.8
  Top Layer w0.381: v1(196.89,88.55) 196.89,82.96 v1(196.9,82.95) ; v1(197.63,108.52) v1(197.63,115.54) ; v1(204.81,82.96) 211.46,82.96 224.76,69.66 v1(230.43,69.66)
  Top Layer w0.5: 231.61,63.1 233.76,63.1 H_ASW2P.8@235.04,64.38
  Top Layer w1: SAO2.Q3.2@212.327,48.384 213.244,48.384 214.196,49.336 214.196,56.163 221.143,63.11 231.61,63.11
  Bottom Layer w0.305: v1(196.89,88.55) 199.77,91.43 199.77,106.38 v1(197.63,108.52)
  Bottom Layer w0.381: v1(196.9,82.95) 203.22,82.95 203.23,82.96 v1(204.81,82.96) ; v1(197.63,115.54) 197.63,137.4 203.263,143.033 J12.1@203.263,160.48 ; v1(230.43,69.66) 230.43,66.88 231.61,65.7 233.72,65.7 H_ASW2P.8@235.04,64.38
5V_HS_1: H_ASW1.1 SA1.Q12.7 | length 122.1
  Top Layer w0.305: v1(133.268,12.483) 134.404,13.619 SA1.Q12.7@134.404,14.383
  Bottom Layer w0.381: H_ASW1.1@24.75,10 26.01,11.26 26.01,14.23 34.47,22.69 37.318,22.69 123.061,22.69 v1(133.268,12.483)
5V_HS_2: H_ASW1.3 SA1.Q12.10 | length 143.4
  Top Layer w0.305: SA1.Q12.10@135.904,14.383 135.904,12.847 v1(136.268,12.483)
  Top Layer w0.381: v1(18,24.17) 26.01,16.16 26.01,11.26 27.27,10 H_ASW1.3@27.29,10
  Bottom Layer w0.381: v1(18,24.17) 124.581,24.17 v1(136.268,12.483) ; H_ASW1.3@27.29,10 H_ASW1.3@27.48,10
5V_HS_3: H_ASW1.5 SA2.Q12.7 | length 136.5
  Top Layer w0.305: v1(144.868,12.483) 146.004,13.619 SA2.Q12.7@146.004,14.383
  Top Layer w0.381: v1(96.93,21.17) v1(96.93,26.42)
  Bottom Layer w0.381: H_ASW1.5@29.83,10 29.85,10 31.07,11.22 31.07,17.15 35.09,21.17 36.88,21.17 v1(96.93,21.17) ; v1(96.93,26.42) 130.14,26.41 144.067,12.483 v1(144.868,12.483)
5V_HS_4: H_ASW1.7 SA2.Q12.10 | length 140
  Top Layer w0.305: SA2.Q12.10@147.504,14.383 147.504,12.847 v1(147.868,12.483)
  Top Layer w0.381: v1(95.51,19.61) v1(95.51,27.96)
  Bottom Layer w0.381: H_ASW1.7@32.37,10 32.7,10 33.63,10.93 33.63,17.23 36.01,19.61 v1(95.51,19.61) ; v1@95.51,27.99 131.31,27.99 144.63,14.67 145.681,14.67 v1(147.868,12.483)
5V_HS_5: H_ASW1.9 SA3.Q12.7 | length 134.2
  Top Layer w0.305: v1(156.468,12.483) 157.604,13.619 SA3.Q12.7@157.604,14.383
  Bottom Layer w0.381: H_ASW1.9@34.91,10 36.21,11.3 36.21,16.5 37.86,18.15 125.36,18.15 132.84,10.67 151.88,10.67 154.655,10.67 v1(156.468,12.483)
5V_HS_6: H_ASW1.11 SA3.Q12.10 | length 135.2
  Top Layer w0.305: SA3.Q12.10@159.104,14.383 159.104,12.847 v1(159.468,12.483)
  Bottom Layer w0.381: H_ASW1.11@37.45,10 38.7,11.25 38.7,15.08 40.27,16.65 124.5,16.65 131.87,9.28 132.212,9.28 132.217,9.275 158.013,9.275 158.018,9.28 159.288,9.28 159.468,9.46 v1(159.468,12.483)
5V_HS_7: H_ASW1.13 SA4.Q12.7 | length 139.1
  Top Layer w0.305: v1(168.068,12.483) 169.204,13.619 SA4.Q12.7@169.204,14.383
  Bottom Layer w0.381: H_ASW1.13@39.99,10 39.99,10.24 41.2,11.45 41.2,13.831 42.719,15.35 123.783,15.35 131.123,8.01 131.686,8.01 131.691,8.005 158.539,8.005 158.544,8.01 163.595,8.01 v1(168.068,12.483)
5V_HS_8: H_ASW1.15 SA4.Q12.10 | length 156.4
  Top Layer w0.305: SA4.Q12.10@170.704,14.383 170.704,12.847 v1(171.068,12.483)
  Top Layer w0.381: v1(104.59,13.8) v1(104.59,29.75)
  Bottom Layer w0.381: H_ASW1.15@42.53,10 43.724,11.194 43.724,13.035 44.49,13.8 v1(104.59,13.8) ; v1(104.59,29.75) 104.61,29.77 153.781,29.77 v1(171.068,12.483)
5V_HS_9: H_ASW1.17 SA5.Q12.7 | length 143.8
  Top Layer w0.305: v1(179.69,12.7) 179.885,12.7 180.804,13.619 SA5.Q12.7@180.804,14.383
  Bottom Layer w0.381: H_ASW1.17@45.07,10 45.07,7.71 48.183,4.597 170.297,4.597 170.356,4.597 170.803,5.044 170.803,5.103 178.4,12.7 v1(179.69,12.7)
5V_HS_10: H_ASW1.19 SA5.Q12.10 | length 144.3
  Top Layer w0.305: SA5.Q12.10@182.304,14.383 182.304,12.847 v1(182.668,12.483)
  Bottom Layer w0.381: H_ASW1.19@47.61,10 47.61,7.99 49.523,6.077 168.787,6.077 177.33,14.62 180.531,14.62 v1(182.668,12.483)
5V_HS_11: H_ASW1.21 SA6.Q12.7 | length 153.5
  Top Layer w0.305: v1(191.268,12.483) 192.404,13.619 SA6.Q12.7@192.404,14.383
  Top Layer w0.381: H_ASW1.21@50.15,10 50.15,8.37 53.14,5.38 53.142,5.382 v1(191.268,5.382)
  Bottom Layer w0.381: v1(191.268,5.382) v1(191.268,12.483)
5V_HS_12: H_ASW1.23 SA6.Q12.10 | length 148.3
  Top Layer w0.305: SA6.Q12.10@193.904,14.383 193.904,12.847 v1(194.268,12.483)
  Top Layer w0.381: v1(100.91,8.46) v1(194.268,8.46)
  Bottom Layer w0.381: H_ASW1.23@52.69,10 54.23,8.46 v1(100.91,8.46) ; v1(194.268,8.46) v1(194.268,12.483)
5V_HS_13: H_ASW1.25 SA7.Q12.7 | length 156.5
  Top Layer w0.305: v1(202.868,12.483) 204.004,13.619 SA7.Q12.7@204.004,14.383
  Top Layer w0.381: H_ASW1.25@55.23,10 55.23,9.579 57.939,6.87 97.43,6.87 201.67,6.87 v1(202.88,8.08)
  Bottom Layer w0.381: v1(202.868,12.483) 202.868,8.092 v1(202.88,8.08)
5V_HS_14: H_ASW1.27 SA7.Q12.10 | length 154.2
  Top Layer w0.305: SA7.Q12.10@205.504,14.383 205.504,12.847 v1(205.868,12.483)
  Top Layer w0.381: H_ASW1.27@57.77,10 59.48,8.29 95.86,8.29 97.42,9.85 v1(205.868,9.85)
  Bottom Layer w0.381: v1@205.868,9.79 v1(205.868,9.85) v1(205.868,12.483)
5V_HS_15: H_ASW1.29 SA8.Q12.7 | length 66.1
  Top Layer w0.305: v1(19.23,40.82) 20.04,41.63 SA8.Q12.7@20.04,42.71
  Top Layer w0.381: v1(19.23,33.76) 19.23,26.07 29.94,15.36 29.942,15.36 30.062,15.24 57.38,15.24 59.03,13.59 59.03,11.28 H_ASW1.29@60.31,10
  Bottom Layer w0.381: v1(19.23,33.76) v1(19.23,40.82)
5V_HS_16: H_ASW1.31 SA8.Q12.10 | length 66.3
  Top Layer w0.305: SA8.Q12.10@21.54,42.71 21.54,41.5 v1(22.22,40.82)
  Top Layer w0.381: v1(22.22,33.76) 22.22,24.96 30.67,16.51 58.88,16.51 61.57,13.82 61.57,11.28 H_ASW1.31@62.85,10
  Bottom Layer w0.381: v1(22.22,33.76) v1(22.22,40.82)
5V_HS_17: H_ASW1.33 SA9.Q12.7 | length 61.6
  Top Layer w0.305: v1(30.814,40.79) 31.64,41.946 SA9.Q12.7@31.64,42.71
  Top Layer w0.381: v1@30.814,26.11 30.814,24.026 35.63,19.21 60.01,19.21 64.13,15.09 64.13,11.26 H_ASW1.33@65.39,10
  Bottom Layer w0.381: v1@30.814,26.11 v1(30.814,40.79)
  other v1: 30.824,26.11
5V_HS_18: H_ASW1.35 SA9.Q12.10 | length 61.2
  Top Layer w0.305: SA9.Q12.10@33.14,42.71 33.14,41.174 v1(33.504,40.81)
  Top Layer w0.381: v1(33.55,26.83) 33.55,23.53 36.5,20.58 60.512,20.58 61.992,19.1 62.01,19.1 66.65,14.46 66.65,11.28 H_ASW1.35@67.93,10
  Bottom Layer w0.381: v1(33.504,40.81) v1@33.55,40.764 ; v1(33.55,26.83) v1@33.55,40.764 ; v1@33.57,40.744 v1@33.55,40.764
5V_HS_19: H_ASW1.37 SA10.Q12.7 | length 52.6
  Top Layer w0.305: v1(42.104,40.81) 43.24,41.946 SA10.Q12.7@43.24,42.71
  Top Layer w0.381: v1(42.104,28.61) 47.474,23.24 60.54,23.24 69.22,14.56 69.22,11.23 70.45,10 H_ASW1.37@70.47,10
  Bottom Layer w0.381: v1(42.104,28.61) v1(42.104,40.81)
5V_HS_20: H_ASW1.39 SA10.Q12.10 | length 51.8
  Top Layer w0.305: SA10.Q12.10@44.74,42.71 44.74,41.174 v1(45.104,40.81)
  Top Layer w0.381: v1(45.104,28.61) 48.554,25.16 61.19,25.16 71.74,14.61 71.74,11.27 H_ASW1.39@73.01,10
  Bottom Layer w0.381: v1(45.104,28.61) v1(45.104,40.81)
5V_HS_21: H_ASW1.41 SA11.Q12.7 | length 45.4
  Top Layer w0.305: v1(53.704,40.81) 54.84,41.946 SA11.Q12.7@54.84,42.71
  Top Layer w0.381: v1(53.704,31.36) 56.224,28.84 61.62,28.84 74.32,16.14 74.32,11.23 H_ASW1.41@75.55,10
  Bottom Layer w0.381: v1(53.704,31.36) v1(53.704,40.81)
5V_HS_22: H_ASW1.43 SA11.Q12.10 | length 44.3
  Top Layer w0.305: SA11.Q12.10@56.34,42.71 56.34,41.174 v1(56.704,40.81)
  Top Layer w0.381: v1(56.704,31.36) 57.484,30.58 61.85,30.58 76.88,15.55 76.88,11.21 H_ASW1.43@78.09,10
  Bottom Layer w0.381: v1(56.704,31.36) v1(56.704,40.81)
5V_HS_23: H_ASW1.45 SA12.Q12.7 | length 39.5
  Top Layer w0.305: v1(65.304,40.81) 66.44,41.946 SA12.Q12.7@66.44,42.71
  Top Layer w0.381: v1(65.304,31.01) 79.435,16.878 79.435,11.194 H_ASW1.45@80.63,10
  Bottom Layer w0.381: v1(65.304,31.01) v1(65.304,40.81)
5V_HS_24: H_ASW1.47 SA12.Q12.10 | length 39
  Top Layer w0.305: SA12.Q12.10@67.94,42.71 67.94,41.174 v1(68.304,40.81)
  Top Layer w0.381: v1(68.304,31.01) 68.304,29.816 81.95,16.17 81.95,11.22 H_ASW1.47@83.17,10
  Bottom Layer w0.381: v1(68.304,31.01) v1(68.304,40.81)
5V_HS_25: H_ASW1.49 SA13.Q12.7 | length 36.8
  Top Layer w0.305: v1(76.904,40.81) 78.04,41.946 SA13.Q12.7@78.04,42.71
  Top Layer w0.381: v1(77.69,26.52) 84.47,19.74 84.47,11.24 H_ASW1.49@85.71,10
  Bottom Layer w0.381: v1(76.904,40.81) 77.69,40.024 v1(77.69,26.52)